# Altium PCB LimeSDR-Micro_1v1.PcbDoc (part 5 of 9)
Units mm, origin at the board's own origin, x right, y up, seen from the top; angles counter-clockwise.
Board outline 50.8 x 29.7 mm, 8 copper layers (Top, L2, L3, L4, L5, L6, L7, Bottom), stack 0.925 mm thick; 653 components, 377 nets, 2314 pads, 818 vias.
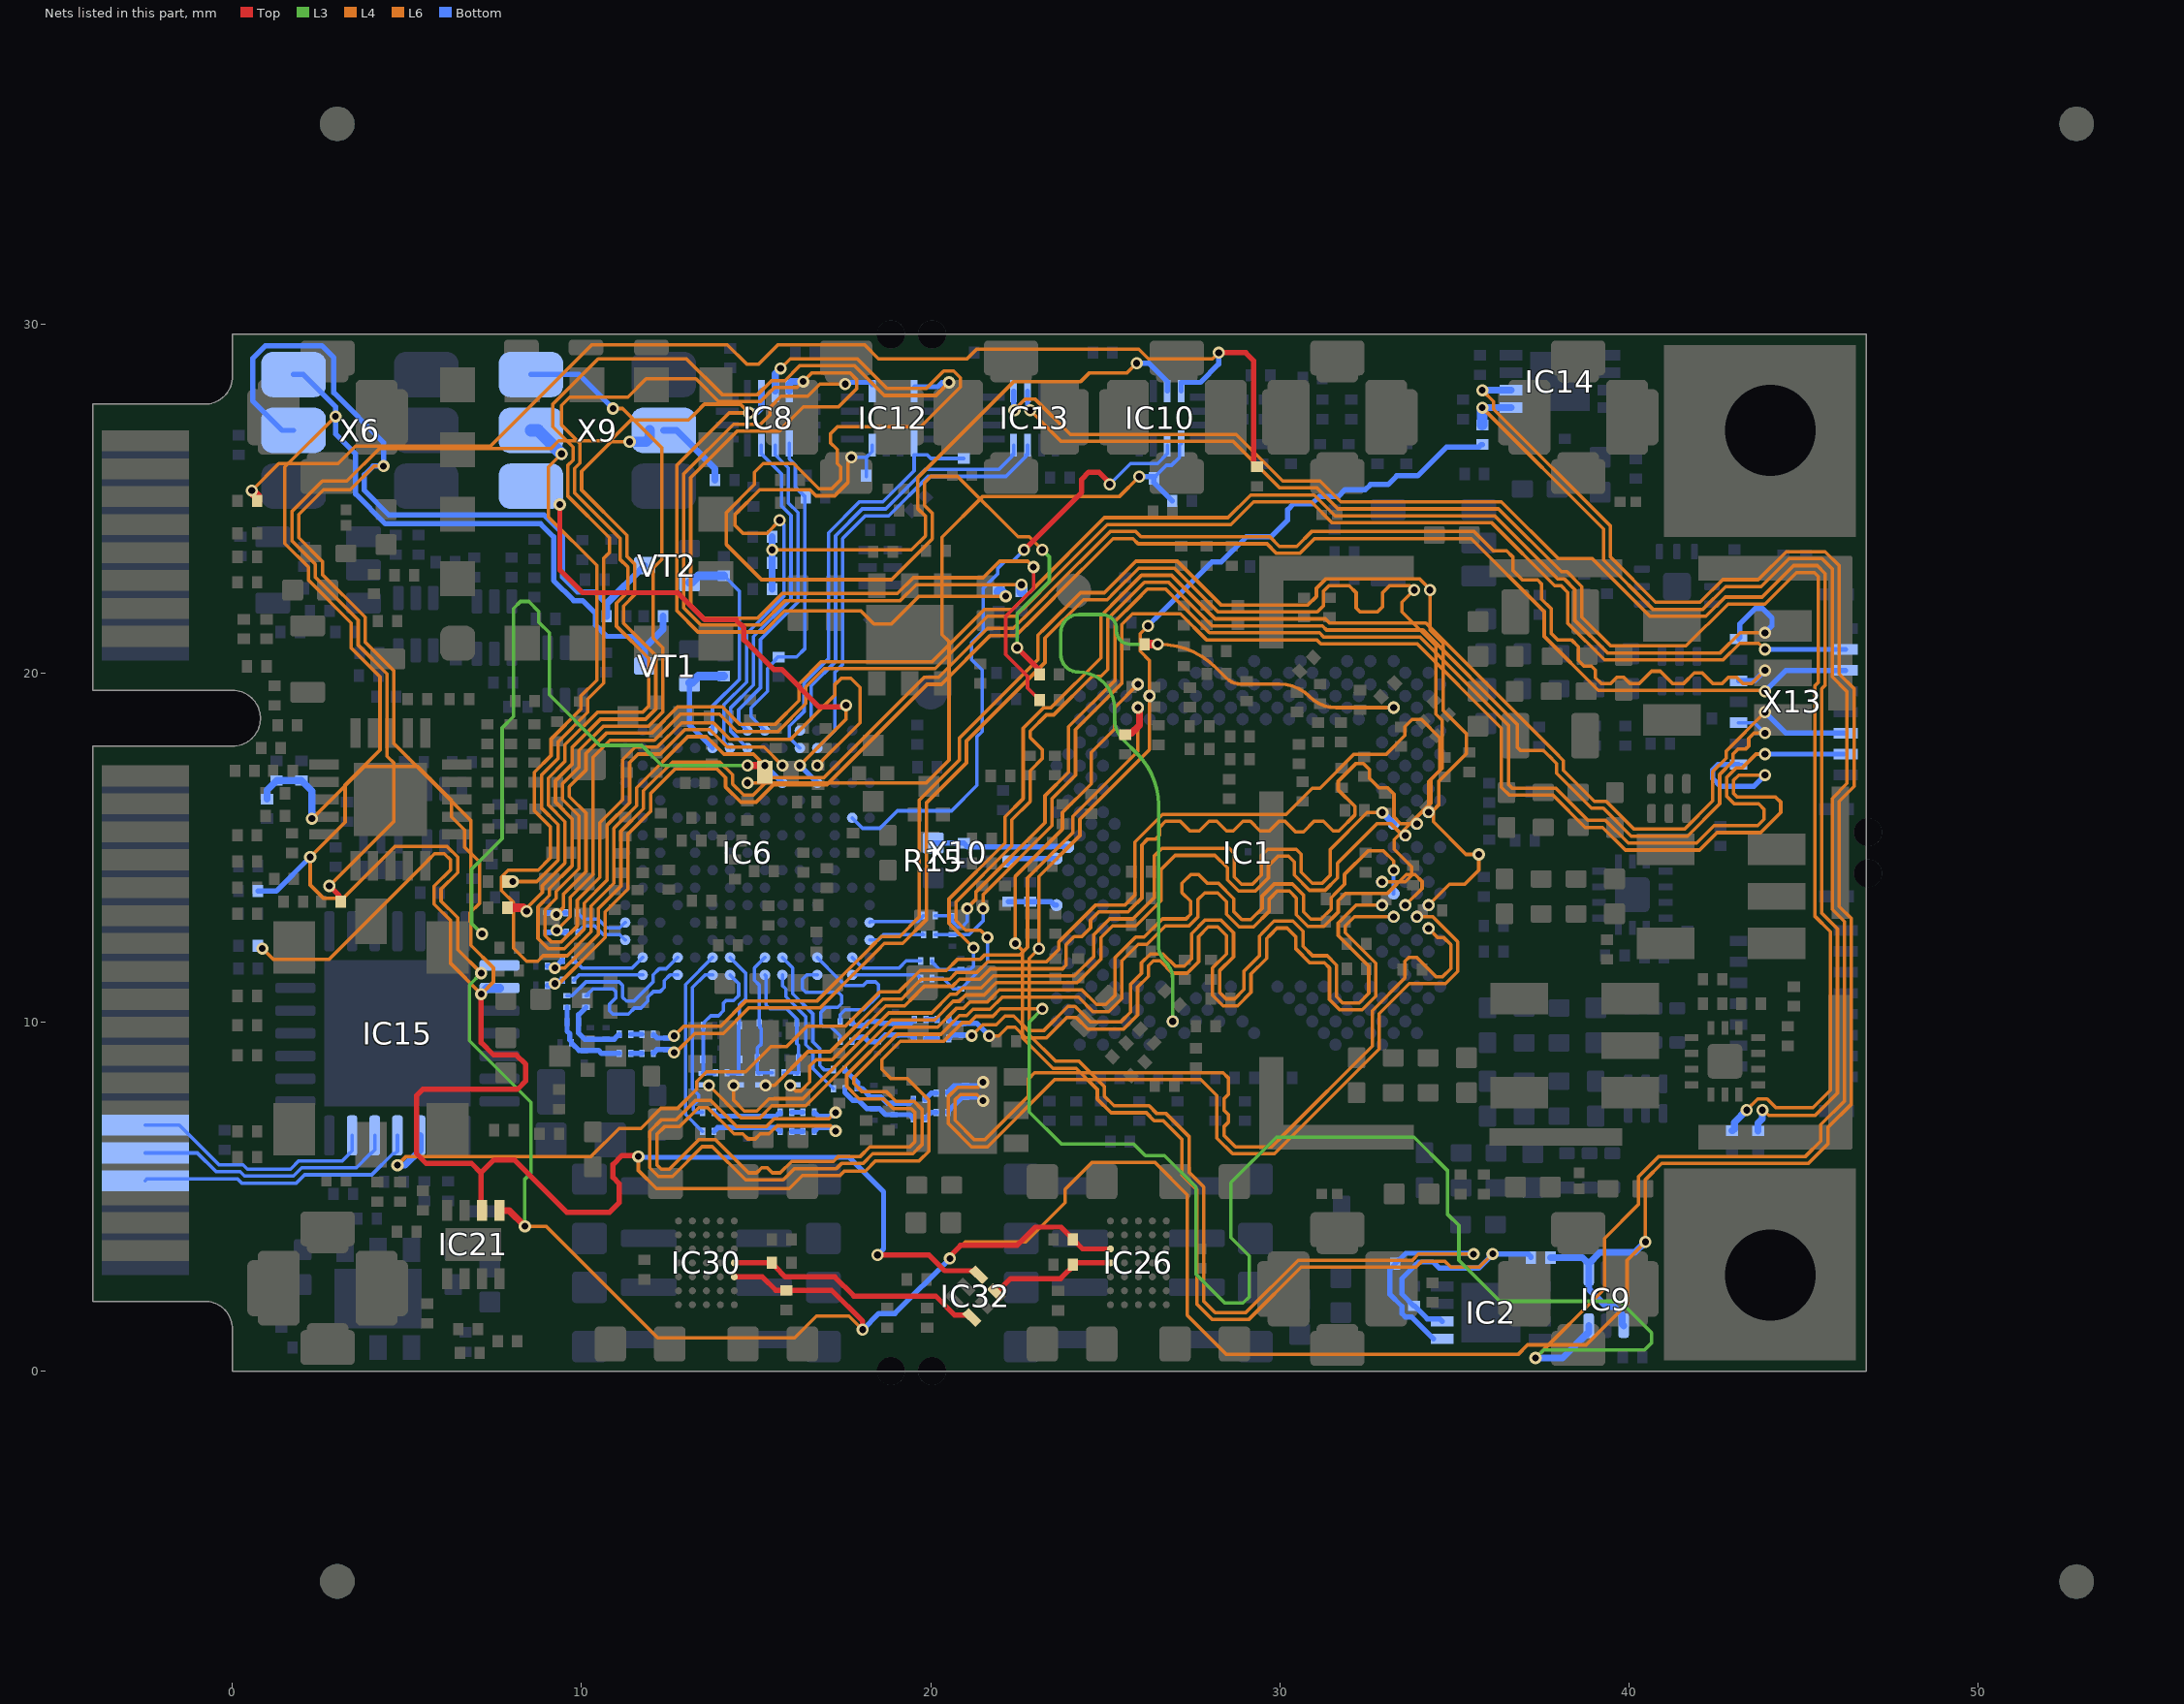
[diagram p11: the nets of this part, all layers, seen from the top]

## Via types
v1: diameter 0.35, hole 0.2, Top to Bottom, tented both sides, 672 vias
v2: diameter 0.35, hole 0.2, L5 to Bottom, tented both sides, 108 vias
v3: diameter 0.4, hole 0.2, Top to Bottom, tented both sides, 30 vias
v4: diameter 0.5, hole 0.2, Top to Bottom, tented both sides, 8 vias

## Nets (pads, with @x,y where several pads share a name; then routed paths per layer and width w, separated by ;. In a path a pad name is that pad's centre, name@x,y a point inside that pad or via, vN(x,y) a via of type N, cw(c..) or ccw(c..) an arc to the next point about the centre after c; other vN are vias at no path point) (continued)
LA_I2C_SCL: IC9.1 IC9.4 IC14.6 IC15.8 IC21.5 IC26.E5 IC30.E5 R26.1 R140.2 R142.2 R197.2 R211.2 VT1.D X6.1 | length 150.4
  Top w0.15: IC30.E5@14.375,2.7 15.175,2.7 15.563,2.312 R211.2@15.863,2.312 17.163,2.312 18.05,1.425 v1(18.05,1.187) ; v1(20.55,3.225) 20.55,3.295 20.855,3.6 22.475,3.6 23,4.125 23.737,4.125 23.987,3.875 24,3.875 24.075,3.8 R197.2@24.075,3.775 24.35,3.5 IC26.E5@25.15,3.5
  Top w0.2: IC21.5@7.65,4.6 7.925,4.6 v1(8.375,4.15)
  L3 w0.1: v1(7.125,11.4) 6.787,11.063 6.787,9.462 8.55,7.7 8.55,5.675 8.375,5.5 v1(8.375,4.15)
  L4 w0.1: v1(2.95,27.35) 1.5,25.9 1.5,23.708 2.175,23.033 2.175,22.658 3.4,21.433 3.4,20.717 4.225,19.892 4.225,17.792 3.225,16.792 3.225,15.725 v1(2.225,14.725) 2.225,13.925 2.6,13.55 3.175,13.55 4.65,15.025 6.15,15.025 6.45,14.725 6.45,14.283 5.975,13.808 5.975,13.461 6.45,12.986 6.45,12.075 v1(7.125,11.4) ; v1(20.55,3.225) 20.55,3.26 20.99,3.7 22.725,3.7 23.85,4.825 23.85,5.206 24.619,5.975 26.425,5.975 27.35,5.05 27.35,1.6 28.475,0.475 36.825,0.475 37.1,0.75 38.775,0.75 39.95,1.925 39.95,3.175 v1(40.475,3.7)
  L6 w0.1: v1(8.375,4.15) 8.983,4.15 12.183,0.95 16.1,0.95 16.725,1.575 17.662,1.575 v1(18.05,1.187) ; v1(35.8,28.1) 36.125,27.775 36.125,27.558 39.475,24.208 39.475,23.316 40.766,22.025 42.042,22.025 42.692,22.675 43.708,22.675 44.508,23.475 45.625,23.475 46.025,23.075 46.025,19.975 46.45,19.55 46.45,16.75 46.025,16.325 46.025,13.308 46.375,12.958 46.375,7.65 45.7,6.975 45.7,6.508 45.142,5.95 40.938,5.95 40.475,5.487 v1(40.475,3.7)
  Bottom w0.15: R142.2@0.73,13.75 1.25,13.75 v1(2.225,14.725) ; X6.1@1.75,28.55 2.025,28.55 2.95,27.625 v1(2.95,27.35) 2.95,26.85 3.525,26.275 3.525,25.129 4.379,24.275 6.461,24.275 7.639,24.275 8.825,24.275 9.2,23.9 9.2,22.649 9.774,22.075 10.025,22.075 10.39,21.71 10.39,21.378 10.718,21.05 11.475,21.05 11.805,20.72 ; v1(18.05,1.187) 18.513,1.65 18.975,1.65 v1(20.55,3.225)
  Bottom w0.2: VT1.D@11.805,20.2 11.805,20.72 12.335,21.25 R140.2@12.335,21.625 ; v1(35.8,28.1) IC14.6@36.625,28.1 ; R26.1@37.755,3.25 38.675,3.25 IC9.1@38.85,3.075 ; IC9.4@39.85,1.3 39.81,1.34 39.81,1.615 39.575,1.85 39.35,1.85 38.85,2.35 IC9.1@38.85,2.8 IC9.1@38.85,3.075 ; v1(40.475,3.7) 40.175,3.4 39.175,3.4 IC9.1@38.85,3.075
LA_I2C_SCL_LS: IC6.P6 R141.2 VT1.S | length 3.3
  Bottom w0.1: 13.824,19.913 13.849,19.913 R141.2@13.949,19.813
  Bottom w0.15: VT1.S@13.095,19.71 13.095,18.506 IC6.P6@13.751,17.85
  Bottom w0.25: VT1.S@13.095,19.71 13.145,19.71 13.348,19.913 13.824,19.913 ; 13.849,19.913 R141.2@14.074,19.913
LA_I2C_SDA: IC9.6 IC14.5 IC15.9 IC21.6 IC32.4 R30.1 R139.2 R149.2 VT2.D X6.2 | length 184.2
  Top w0.15: 7.125,5.67 7.125,4.625 IC21.6@7.15,4.6 ; v1(7.125,10.8) 7.125,9.411 7.481,9.055 8.128,9.055 8.4,8.783 8.4,8.312 8.161,8.073 5.447,8.073 5.275,7.9 5.275,6.225 5.55,5.95 6.845,5.95 7.116,5.679 7.488,6.05 8.075,6.05 9.575,4.55 10.8,4.55 11.075,4.825 11.075,5.375 10.9,5.55 10.9,5.92 11.155,6.175 11.337,6.175 v1@11.625,6.175 ; v1(18.475,3.325) 19.955,3.325 20.405,2.875 IC32.4@21.24,2.875 ; IC32.4@21.203,2.855 21.204,2.857 21.275,2.857 IC32.4@21.372,2.76
  L3 w0.1: v1(23.2,10.375) 22.825,10 22.825,7.425 23.75,6.5 25.825,6.5 26.15,6.175 26.7,6.175 27.6,5.275 27.6,2.775 28.425,1.95 28.95,1.95 29.125,2.125 29.125,3.3 28.6,3.825 28.6,5.4 29.9,6.7 33.85,6.7 34.8,5.75 34.8,4.5 35.13,4.17 35.13,3.175 36.305,2 39.745,2 40.65,1.095 40.65,0.805 40.445,0.6 37.55,0.6 v1(37.325,0.375)
  L4 w0.1: v1(0.855,12.106) 1.161,11.8 2.775,11.8 5.6,14.625 5.6,14.635 5.79,14.825 6.067,14.825 6.25,14.642 6.25,14.365 5.775,13.89 5.775,13.379 6.25,12.904 6.25,11.675 v1(7.125,10.8) 7.475,11.15 7.475,11.55 6.825,12.2 6.825,15.775 4.625,17.975 4.625,20.058 3.8,20.883 3.8,21.599 2.575,22.824 2.575,23.199 1.9,23.874 1.9,24.542 2.608,25.25 3.375,25.25 4.05,25.925 v1(4.325,25.925)
  L6 w0.1: v1(11.625,6.15) 11.625,5.75 12.15,5.225 15.95,5.225 16.328,5.603 17.4,5.603 17.525,5.728 18.128,5.728 18.425,6.025 19.675,6.025 19.95,6.3 19.95,7.76 19.335,8.375 18.865,8.375 18.6,8.64 18.6,8.917 19.133,9.45 20.375,9.45 20.909,9.984 21.117,9.984 21.297,10.164 21.783,10.164 21.994,10.375 v1(23.2,10.375) ; v1(35.8,27.6) 39.275,24.125 39.275,23.233 40.683,21.825 42.125,21.825 42.775,22.475 43.791,22.475 44.591,23.275 45.529,23.275 45.825,22.979 45.825,19.892 46.25,19.467 46.25,16.833 45.825,16.408 45.825,13.225 46.175,12.875 46.175,7.733 45.5,7.058 45.5,6.59 45.06,6.15 40.855,6.15 40.275,5.57 40.275,4.775 39.3,3.8 39.3,2.35 v1(37.325,0.375)
  Bottom w0.15: X6.2@1.75,26.95 1.425,26.95 0.575,27.8 0.575,29.007 0.943,29.375 2.557,29.375 2.9,29.032 2.9,28.029 4.325,26.604 v1(4.325,25.925) 4.025,25.925 3.775,25.675 3.775,25.232 4.482,24.525 6.357,24.525 7.743,24.525 8.929,24.525 9.45,24.004 9.45,22.753 9.878,22.325 10.375,22.325 10.715,21.985 ; v1@11.625,6.125 17.661,6.125 18.65,5.136 18.65,3.5 v1(18.475,3.325)
  Bottom w0.2: R149.2@10.715,21.625 10.715,21.985 VT2.D@11.805,23.075 ; v1(35.8,27.6) IC14.5@36.625,27.6 ; v1(37.325,0.375) 38.1,0.375 38.775,1.05 38.8,1.05 38.85,1.1 IC9.6@38.85,1.3
  Bottom w0.25: v1(7.125,10.8) 7.3,10.975 IC15.9@7.65,10.975
  Bottom w0.3: R30.1@35.8,27.105 v1(35.8,27.6)
LA_I2C_SDA0: IC26.D5 IC32.3 R199.2 | length 3.6
  Top w0.15: IC32.3@21.885,2.247 22.288,2.65 23.725,2.65 24.175,3.1 IC26.D5@25.15,3.1
LA_I2C_SDA1: IC30.D5 IC32.1 R210.2 | length 7.5
  Top w0.15: IC30.D5@14.375,3.1 R210.2@15.45,3.1 15.45,3.075 15.525,3 15.538,3 15.838,2.7 17.25,2.7 17.8,2.15 20.144,2.15 20.69,1.604 21.114,1.604 IC32.1@21.178,1.54
LA_I2C_SDA_LS: IC6.R6 R148.2 VT2.S | length 6
  Bottom w0.1: IC6.R6@13.751,18.35 13.751,19.049 14.525,19.824 14.525,22.336 R148.2@14.074,22.788
  Bottom w0.25: VT2.S@13.095,22.585 13.145,22.585 13.348,22.788 R148.2@14.074,22.788
LA_LED1: IC13.9 R137.2 | length 45.4
  L6 w0.1: v1(22.4,27.525) 22.4,27.535 22.715,27.85 22.985,27.85 24.002,26.833 28.75,26.833 30.083,25.5 31.15,25.5 31.75,24.9 36.35,24.9 37.975,23.275 38.95,23.275 40.6,21.625 42.208,21.625 42.758,22.175 43.817,22.175 44.717,23.075 45.4,23.075 45.625,22.85 45.625,19.647 45.525,19.547 45.525,13.121 45.975,12.671 45.975,7.965 45.335,7.325 44.009,7.325 43.859,7.475 v1(43.825,7.475)
  Bottom w0.15: IC13.9@22.375,28.075 22.375,27.575 v1@22.425,27.525
  Bottom w0.2: R137.2@43.7,6.88 43.7,7.1 43.825,7.225 v1(43.825,7.475)
LA_LED1_LS: IC6.R11 IC13.4 | length 12.4
  Bottom w0.1: IC6.R11@16.251,18.35 16.575,18.674 16.575,19.626 17.275,20.326 17.275,23.934 18.041,24.7 18.716,24.7 19.846,25.83 21.955,25.83 22.325,26.2 22.325,26.25 22.375,26.25 IC13.4@22.375,26.525
LA_LED2: IC13.10 R145.2 | length 46
  L6 w0.1: v1(22.85,27.525) 23.742,26.633 28.667,26.633 30,25.3 31.067,25.3 31.667,24.7 36.267,24.7 38.067,22.9 38.225,22.9 38.65,22.475 38.65,21.6 39.475,20.775 41.64,20.775 42.84,21.975 43.9,21.975 44.8,22.875 45.317,22.875 45.425,22.767 45.425,19.73 45.325,19.63 45.325,18.292 45.325,13.038 45.775,12.588 45.775,8.047 45.278,7.55 44.21,7.55 43.96,7.8 43.69,7.8 43.375,7.485 v1(43.375,7.475)
  Bottom w0.15: IC13.10@22.775,28.075 22.775,27.65 v1@22.9,27.525
  Bottom w0.2: R145.2@42.95,6.885 42.975,6.885 43.025,6.935 43.025,7.125 v1(43.375,7.475)
LA_LED2_LS: IC6.P12 IC13.3 | length 12.9
  Bottom w0.1: IC6.P12@16.751,17.85 17.25,18.349 17.25,20.019 17.475,20.244 17.475,23.852 18.123,24.5 18.799,24.5 19.929,25.63 22.155,25.63 22.725,26.2 22.725,26.25 22.775,26.25 IC13.3@22.775,26.525
LA_PPS_IN: IC10.11 R170.2 R173.2 R177.2 | length 16.8
  L6 w0.1: v2(15.46,23.525) 19.45,23.525 19.85,23.925 19.85,24.492 19.625,24.717 19.625,25.59 22.385,28.35 24.3,28.35 24.55,28.6 25.625,28.6 v1(25.9,28.875)
  Bottom w0.15: v1(25.9,28.875) 26.247,28.875 26.775,28.347 IC10.11@26.775,28.075
  Bottom w0.2: R177.2@15.46,22.4 R173.2@15.46,23.9
LA_PPS_IN_LS: IC6.K14 IC10.2 | length 17.9
  Top w0.15: v1(22.675,23.525) 24.325,25.175 24.325,25.545 24.53,25.75 24.82,25.75 25.125,25.445 v1(25.125,25.4)
  Bottom w0.1: IC6.K14@17.751,15.85 18.051,15.55 18.55,15.55 19.05,16.05 20.599,16.05 21.325,16.776 21.325,18.175 21.475,18.325 21.475,20.083 21.175,20.383 21.175,20.877 21.5,21.202 21.5,22.425 21.925,22.85 21.925,23 22.125,23.2 22.35,23.2 v1(22.675,23.525) ; v1(25.125,25.4) 25.725,26 26.5,26 26.775,26.275 IC10.2@26.775,26.525
LA_PPS_OUT: IC10.12 R184.2 R187.2 | length 36.8
  Top w0.15: v1(28.25,29.175) 29.025,29.175 29.25,28.95 29.25,26.005 R187.2@29.35,25.905
  Top w0.3: v1(0.55,25.225) 0.55,25.211 0.705,25.056 R184.2@0.705,24.925
  L6 w0.1: v1(0.55,25.225) 1.325,26 3.025,26 3.525,26.5 7.392,26.5 10.292,29.4 14.175,29.4 14.725,28.85 15.075,28.85 15.625,29.4 18.108,29.4 18.508,29 21.04,29 21.315,29.275 25.96,29.275 26.235,29 28.075,29 v1(28.25,29.175)
  Bottom w0.15: IC10.12@27.175,28.075 27.175,28.325 27.725,28.325 28.25,28.85 v1(28.25,29.175)
LA_PPS_OUT_LS: IC6.M8 IC10.1 R115.2 R125.1 | length 21.6
  L4 w0.1: v1(14.751,16.85) 19.875,16.85 20.525,17.5 20.525,20.9 20.325,21.1 20.325,23.892 21.483,25.05 25.4,25.05 v1(25.975,25.625)
  Bottom w0.1: R115.2@26.425,25.625 26.75,25.95 26.9,25.95 27.125,26.175 27.125,26.525 IC10.1@27.175,26.575
  Bottom w0.15: v1(25.975,25.625) R115.2@26.425,25.625 ; R115.2@26.395,25.575 26.395,25.45 R125.1@26.92,24.925
LA_RO0_EXT_I_N: R91.2 R100.1 X13.3 | length 48.2
  L6 w0.1: v2(9.284,12.625) 9.675,13.016 9.675,13.572 10.325,14.222 10.325,17.585 10.815,18.075 12.081,18.075 12.831,18.825 13.95,18.825 14.45,18.325 15.625,18.325 16.425,19.125 16.425,19.6 16.95,20.125 20.131,20.125 21.631,21.625 22.434,21.625 22.814,22.005 22.817,22.005 23.125,22.313 23.125,22.316 25.059,24.25 28.6,24.25 29.25,24.9 30.901,24.9 31.501,24.3 36.075,24.3 37.875,22.5 38.06,22.5 38.25,22.31 38.25,21.425 39.3,20.375 42.7,20.375 43.175,20.85 43.716,20.85 43.891,20.675 v2(43.9,20.675)
  Bottom w0.15: R100.1@9.01,12.575 R91.2@9.559,12.575 ; v2(43.9,20.675) X13.3@46.207,20.675
LA_RO0_EXT_I_P: R90.2 R99.1 X13.2 | length 48.2
  L6 w0.1: v2(9.279,13.08) 9.475,13.276 9.475,13.655 10.125,14.305 10.125,15.989 9.65,16.464 9.65,16.744 10.125,17.219 10.125,17.694 10.706,18.275 11.999,18.275 12.749,19.025 14.033,19.025 14.533,18.525 15.542,18.525 16.225,19.208 16.225,19.683 16.867,20.325 20.048,20.325 21.548,21.825 22.351,21.825 22.731,22.205 22.735,22.205 22.925,22.395 22.925,22.399 24.976,24.45 28.517,24.45 29.167,25.1 30.984,25.1 31.584,24.5 36.158,24.5 37.958,22.7 38.142,22.7 38.45,22.392 38.45,21.508 39.383,20.575 42.617,20.575 43.192,21.15 v2(43.9,21.15)
  Bottom w0.15: R99.1@9.005,13.13 R90.2@9.554,13.13 ; X13.2@43.142,20.975 43.175,21.007 43.175,21.4 43.625,21.85 43.825,21.85 44.1,21.575 44.1,21.35 v2(43.9,21.15)
LA_RO0_EXT_Q_N: R93.2 R102.1 X13.6 | length 48.2
  L6 w0.1: v2(9.235,11.55) 9.525,11.55 10.475,12.5 10.475,13.241 11.125,13.891 11.125,15.467 11.775,16.117 11.775,16.625 12.6,17.45 13.958,17.45 14.325,17.083 14.325,16.816 14.641,16.5 14.917,16.5 15.417,17 16.942,17 19.817,19.875 20.225,19.875 21.625,21.275 22.367,21.275 22.897,21.805 22.9,21.805 23.325,22.23 23.325,22.233 25.142,24.05 25.875,24.05 26.025,23.9 29.716,23.9 29.991,23.625 30.484,23.625 30.909,24.05 35.566,24.05 36.118,23.498 36.502,23.498 36.675,23.325 36.675,22.941 36.95,22.666 37.384,22.666 37.5,22.55 37.5,22.116 37.775,21.841 37.775,21.133 37.958,20.95 38.35,20.95 38.55,20.75 38.55,20.358 38.714,20.193 38.932,20.193 39.043,20.082 39.043,19.864 39.208,19.7 39.481,19.7 39.656,19.875 39.852,19.875 40.027,19.7 40.3,19.7 40.65,20.05 40.9,20.05 41.25,19.7 41.575,19.7 41.875,20 42.1,20 42.4,19.7 42.675,19.7 42.85,19.875 43.087,19.875 43.262,19.7 43.525,19.7 v2(43.9,20.075)
  Bottom w0.15: R102.1@9.02,11.6 9.28,11.6 9.423,11.743 9.45,11.743 R93.2@9.45,11.775 ; X13.6@43.142,19.775 43.6,19.775 v2(43.9,20.075)
LA_RO0_EXT_Q_P: R92.2 R101.1 X13.5 | length 48
  L6 w0.1: 9.406,11.148 10.675,12.417 10.675,13.158 11.325,13.808 11.325,15.384 11.975,16.034 11.975,16.542 12.683,17.25 13.875,17.25 14.125,17 14.125,16.775 14.125,16.733 14.558,16.3 14.6,16.3 15,16.3 15.5,16.8 17.025,16.8 19.9,19.675 20.308,19.675 21.708,21.075 22.45,21.075 22.98,21.605 22.983,21.605 23.525,22.147 23.525,22.15 25.225,23.85 25.792,23.85 25.942,23.7 29.633,23.7 29.908,23.425 30.567,23.425 30.992,23.85 35.483,23.85 37.575,21.758 37.575,21.05 39.125,19.5 43.875,19.5 v2(43.9,19.475)
  Bottom w0.15: R101.1@9.02,11.05 9.239,11.05 9.357,11.168 9.45,11.168 R92.2@9.45,11.2 ; v2(43.9,19.475) 44.5,20.075 X13.5@46.207,20.075
  other v2: 9.235,11.1
LA_RO0_I_N: IC6.C1 R91.1 | length 1.6
  Bottom w0.1: R91.1@9.889,12.575 10.064,12.75 10.375,12.75 10.625,12.5 11.092,12.5 11.242,12.35 IC6.C1@11.251,12.35
LA_RO0_I_P: IC6.D1 R90.1 | length 1.6
  Bottom w0.1: R90.1@9.884,13.13 10.064,12.95 10.475,12.95 10.725,12.7 11.092,12.7 11.242,12.85 IC6.D1@11.251,12.85
LA_RO0_Q_N: IC6.B2 R93.1 | length 2.2
  Bottom w0.1: R93.1@9.78,11.775 10.005,11.55 11.451,11.55 IC6.B2@11.751,11.85
LA_RO0_Q_P: IC6.A2 R92.1 | length 2
  Bottom w0.1: R92.1@9.78,11.2 9.93,11.35 IC6.A2@11.751,11.35
LA_RO1_EXT_I_N: R95.2 R104.1 X13.11 | length 40.8
  L6 w0.1: v2(21.225,12.125) 20.525,12.825 20.525,13.525 22.125,15.125 22.125,15.875 22.65,16.4 22.65,18.417 23.233,19 23.442,19 24.875,20.433 24.875,21.634 25.47,22.229 26.04,22.8 26.899,22.8 28.149,21.55 31.305,21.55 31.425,21.43 34.185,21.43 37.69,17.925 37.692,17.925 38,17.617 38,17.615 38.125,17.49 38.125,17.208 39.008,16.325 39.35,16.325 40.15,15.525 41.592,15.525 42.4,16.333 42.4,17.174 42.784,17.558 42.784,17.759 v2(43.9,18.875)
  Bottom w0.1: R95.2@20.04,11.75 20.04,11.718 20.257,11.5 R104.1@20.865,11.5 21.132,11.5 21.225,11.593 v2(21.225,12.125)
  Bottom w0.15: v2(43.9,18.875) 44.5,18.275 X13.11@46.207,18.275
LA_RO1_EXT_I_P: R94.2 R103.1 X13.10 | length 40.5
  L6 w0.1: v2(21.625,12.425) 21.425,12.625 21.008,12.625 20.725,12.908 20.725,13.442 22.325,15.042 22.325,15.317 22.325,15.792 22.85,16.317 22.85,17.2 23.2,17.55 23.2,17.8 22.85,18.15 22.85,18.334 23.316,18.8 23.525,18.8 24.625,19.9 24.875,19.9 25.075,20.1 25.075,21.551 25.67,22.146 ; 25.67,22.147 26.123,22.6 26.816,22.6 28.066,21.35 31.222,21.35 31.342,21.23 34.103,21.23 36.8,18.533 36.8,17.875 36.9,17.775 37.558,17.775 37.608,17.725 37.61,17.725 37.8,17.535 37.8,17.533 37.925,17.408 37.925,17.125 38.925,16.125 39.267,16.125 40.067,15.325 41.675,15.325 42.6,16.25 42.6,17.091 42.984,17.475 42.984,17.676 43.134,17.826 43.351,17.826 43.433,17.908 43.433,18.125 43.583,18.275 v2(43.9,18.275)
  Bottom w0.1: R94.2@20.04,11.25 20.35,11.25 20.65,10.95 R103.1@20.865,10.95 21.625,11.71 v2(21.625,12.425) ; X13.10@43.142,18.575 43.6,18.575 v2(43.9,18.275)
LA_RO1_EXT_Q_N: R97.2 R106.1 X13.14 | length 40.9
  L6 w0.1: v2(21.5,13.25) 21.5,13.65 23.475,15.625 23.475,16.4 24.15,17.075 24.15,18.375 25.475,19.7 25.475,21.386 25.784,21.695 27.155,21.695 27.9,20.95 31.056,20.95 31.176,20.83 33.937,20.83 36.35,18.417 36.35,16.725 36.575,16.5 37.825,16.5 38.75,15.575 39.251,15.575 39.901,14.925 42.025,14.925 42.525,15.425 43.775,15.425 44.35,16 44.35,16.3 44.2,16.45 43.1,16.45 43,16.55 43,16.925 43.15,17.075 v2(43.9,17.075)
  Bottom w0.1: R97.2@20.125,12.5 R106.1@20.625,12.5 21.1,12.5 21.5,12.9 v2(21.5,13.25) ; X13.14@43.142,17.375 X13.14@43.242,17.375
  Bottom w0.15: X13.14@43.142,17.375 42.55,17.375 42.4,17.225 42.4,16.975 42.625,16.75 43.575,16.75 v2(43.9,17.075)
LA_RO1_EXT_Q_P: R96.2 R105.1 X13.13 | length 40.6
  L6 w0.1: v2@21.037,13.262 21.3,13.525 21.3,13.733 23.275,15.708 23.275,16.483 23.95,17.158 23.95,18.458 25.275,19.783 25.275,21.469 25.87,22.064 ; 25.87,22.065 26.205,22.4 26.733,22.4 27.983,21.15 31.139,21.15 31.259,21.03 34.02,21.03 36.55,18.5 36.55,16.808 36.658,16.7 37.908,16.7 38.833,15.775 39.334,15.775 39.984,15.125 41.942,15.125 42.442,15.625 43.092,15.625 43.692,15.625 43.875,15.808 43.875,16.092 43.717,16.25 43.017,16.25 42.8,16.467 42.8,16.834 42.8,17.008 43.067,17.275 43.241,17.275 43.641,17.675 v2@43.9,17.675
  Bottom w0.1: R96.2@20.125,13.05 R105.1@20.625,13.05 20.625,12.884 20.784,12.725 20.9,12.725 21.05,12.875 v2(21.05,13.25)
  Bottom w0.15: v2(43.9,17.675) X13.13@46.207,17.675
LA_RO1_I_N: IC6.B14 R95.1 | length 2.2
  Bottom w0.1: IC6.B14@17.751,11.85 18.051,11.55 19.1,11.55 19.3,11.75 R95.1@19.71,11.75
LA_RO1_I_P: IC6.A14 R94.1 | length 2
  Bottom w0.1: IC6.A14@17.751,11.35 17.789,11.388 17.827,11.35 19.61,11.35 R94.1@19.71,11.25
LA_RO1_Q_N: IC6.C15 R97.1 | length 1.6
  Bottom w0.1: IC6.C15@18.251,12.35 18.5,12.35 18.65,12.5 R97.1@19.795,12.5 19.782,12.512 R97.1@19.77,12.525
LA_RO1_Q_P: IC6.D15 R96.1 | length 1.6
  Bottom w0.1: IC6.D15@18.251,12.85 18.276,12.875 19.62,12.875 R96.1@19.795,13.05
LA_RX0_I_N: IC6.A4 R28.1 | length 4.2
  Bottom w0.1: R28.1@10.125,10.75 10.157,10.75 10.182,10.775 10.182,10.808 10.325,10.95 10.904,10.95 10.975,10.879 10.975,10.687 10.8,10.512 10.8,10.325 10.9,10.225 11.34,10.225 11.515,10.4 11.7,10.4 11.9,10.6 11.9,10.716 12.057,10.873 12.248,10.873 12.367,10.992 12.367,11.183 12.53,11.346 12.747,11.346 IC6.A4@12.751,11.35
LA_RX0_I_P: IC6.B4 R34.1 | length 4.4
  Bottom w0.1: R34.1@9.575,10.75 9.725,10.75 10.125,11.15 11.075,11.15 11.175,11.05 11.175,10.708 11.283,10.6 11.501,10.6 12.051,11.15 12.051,11.351 12.225,11.525 12.426,11.525 IC6.B4@12.751,11.85
LA_RX0_Q_N: IC6.B6 R37.1 | length 5.5
  Bottom w0.1: R37.1@13.46,6.865 12.975,7.35 12.975,11.074 IC6.B6@13.751,11.85
LA_RX0_Q_P: IC6.A6 R42.1 | length 4.7
  Bottom w0.1: R42.1@13.46,7.415 13.26,7.415 13.2,7.475 13.2,7.625 13.35,7.775 13.35,7.91 13.175,8.085 13.175,10.991 13.53,11.346 13.747,11.346 IC6.A6@13.751,11.35
LA_RX1_I_N: IC6.B10 R44.1 | length 4
  Bottom w0.1: IC6.B10@15.751,11.85 16.05,11.551 16.05,11.475 16.051,11.474 16.051,11.226 16.05,11.225 16.05,10.808 16.625,10.233 16.625,9.433 16.825,9.233 16.825,8.753 16.943,8.635 R44.1@17.21,8.635
LA_RX1_I_P: IC6.A10 R49.1 | length 3.9
  Bottom w0.1: IC6.A10@15.751,11.35 15.751,11.049 15.85,10.95 15.85,10.725 16.425,10.15 16.425,9.35 16.625,9.15 16.625,8.67 R49.1@17.21,8.085
LA_RX1_Q_N: IC6.A12 R51.1 | length 4
  Bottom w0.1: IC6.A12@16.751,11.35 16.45,11.35 16.325,11.225 16.325,10.95 16.425,10.85 17.35,10.85 17.45,10.75 17.45,10.533 17.339,10.421 16.996,10.421 16.85,10.275 16.85,9.95 16.925,9.875 17.135,9.875 17.41,9.6 R51.1@17.41,9.525